# Altium PCB DC-DC_Bridge.PcbDoc
Units mm, origin at the board's own origin, x right, y up, seen from the top; angles counter-clockwise.
Board outline 75 x 80 mm, 2 copper layers (Top Layer, Bottom Layer), stack 0.871 mm thick; 101 components, 43 nets, 233 pads, 26 vias.
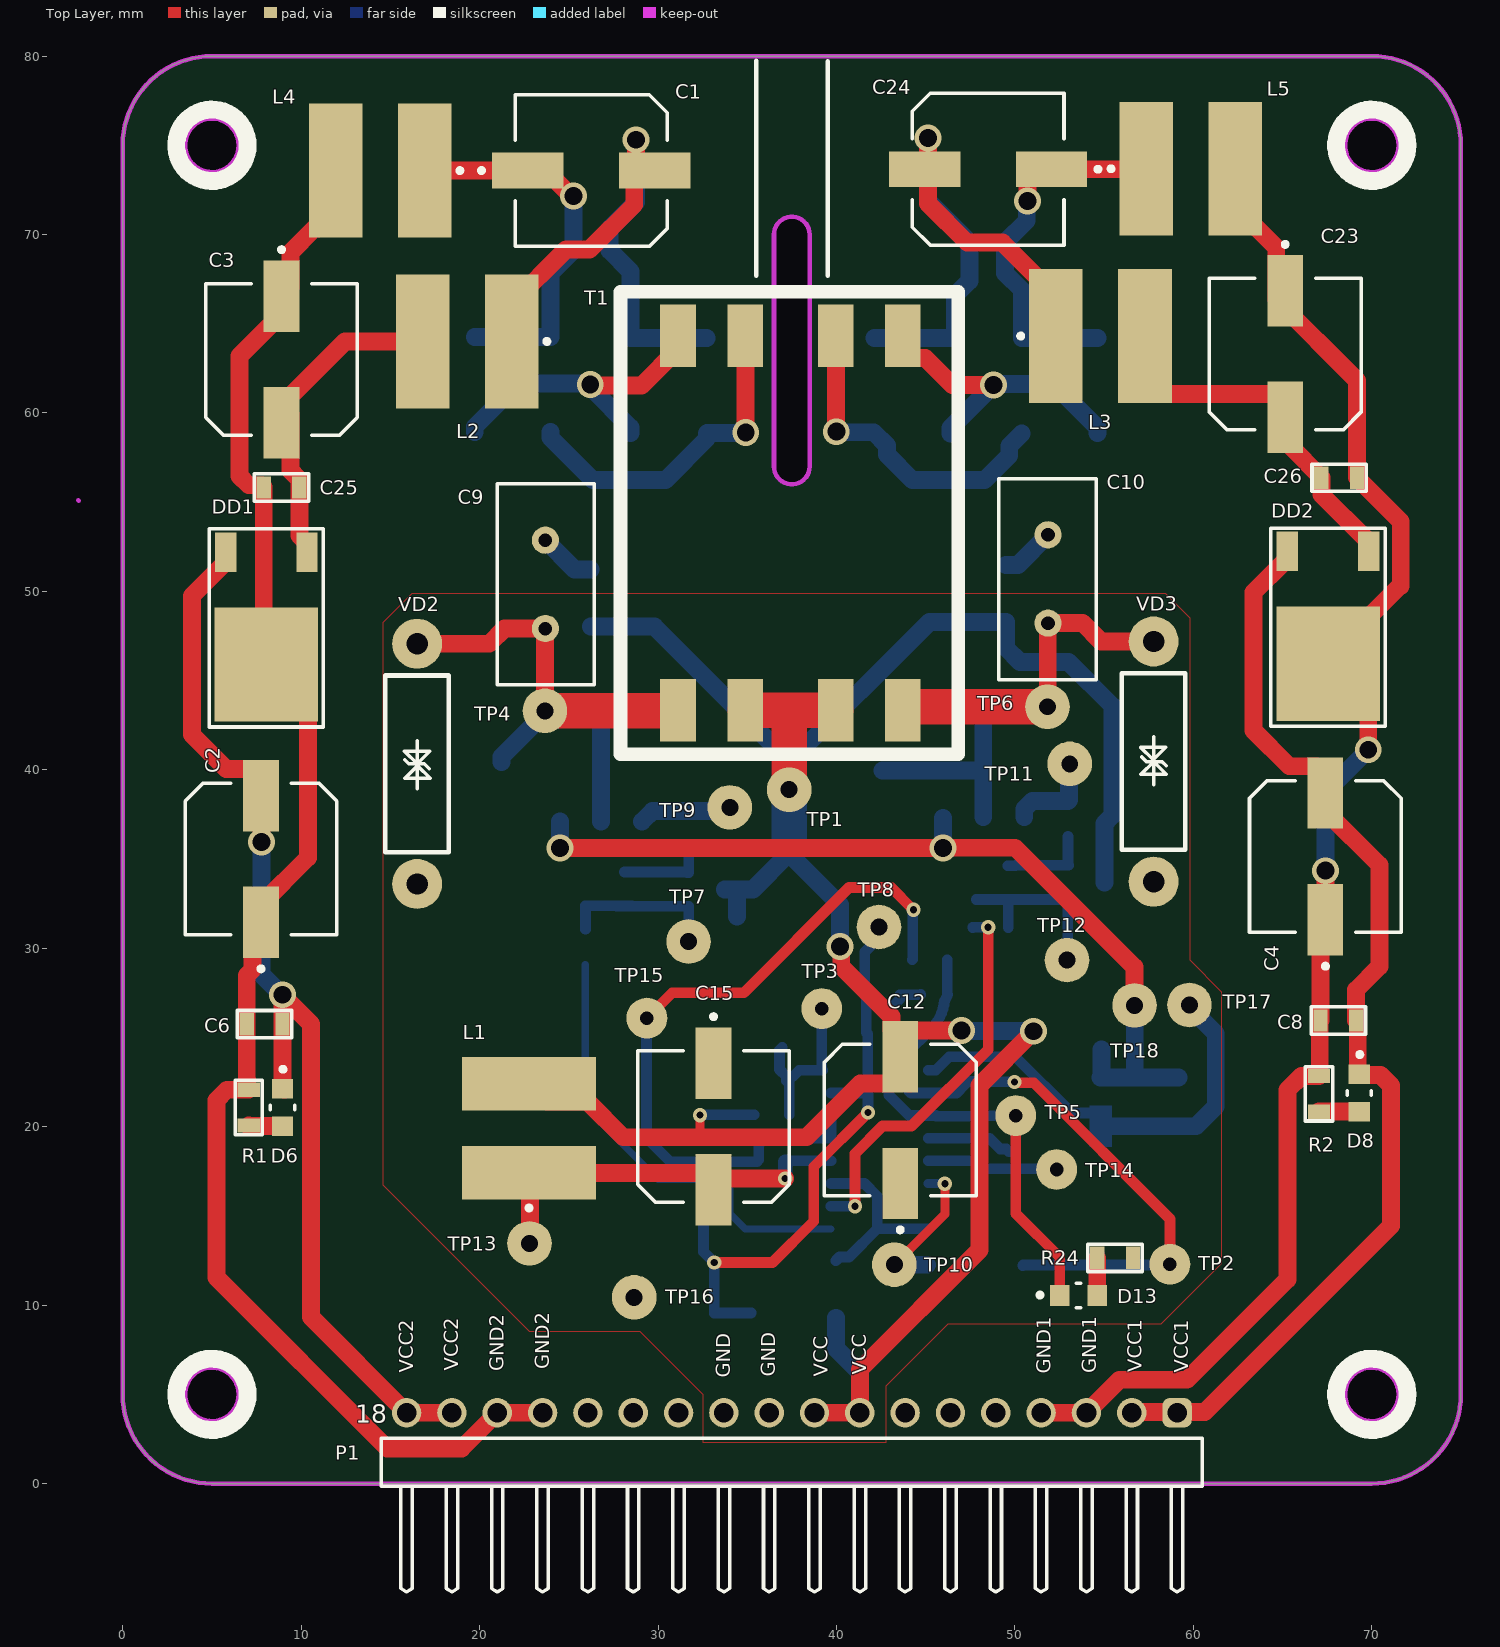
[diagram p0: Top Layer view]
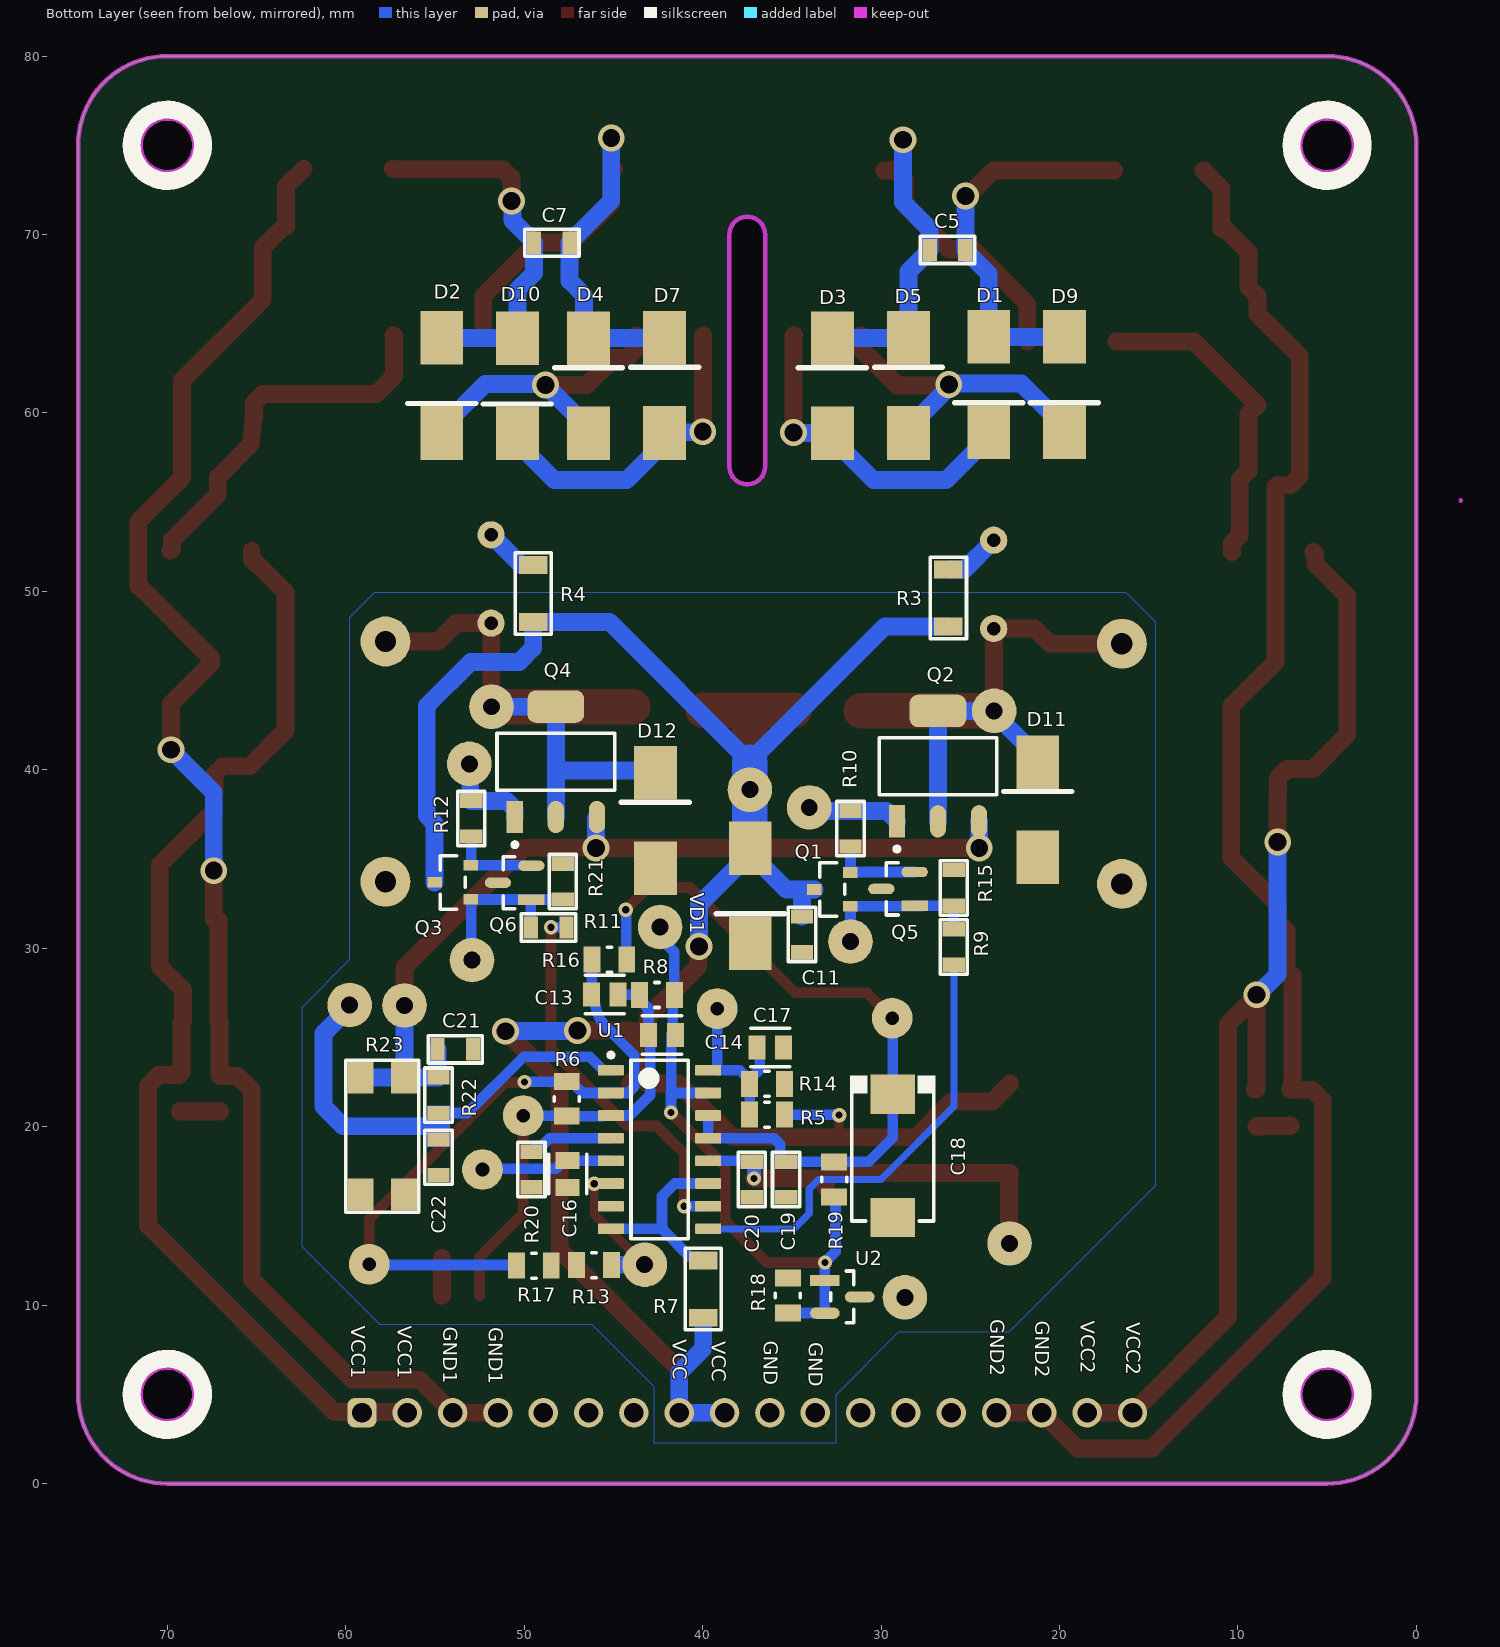
[diagram p1: Bottom Layer view, seen from below]
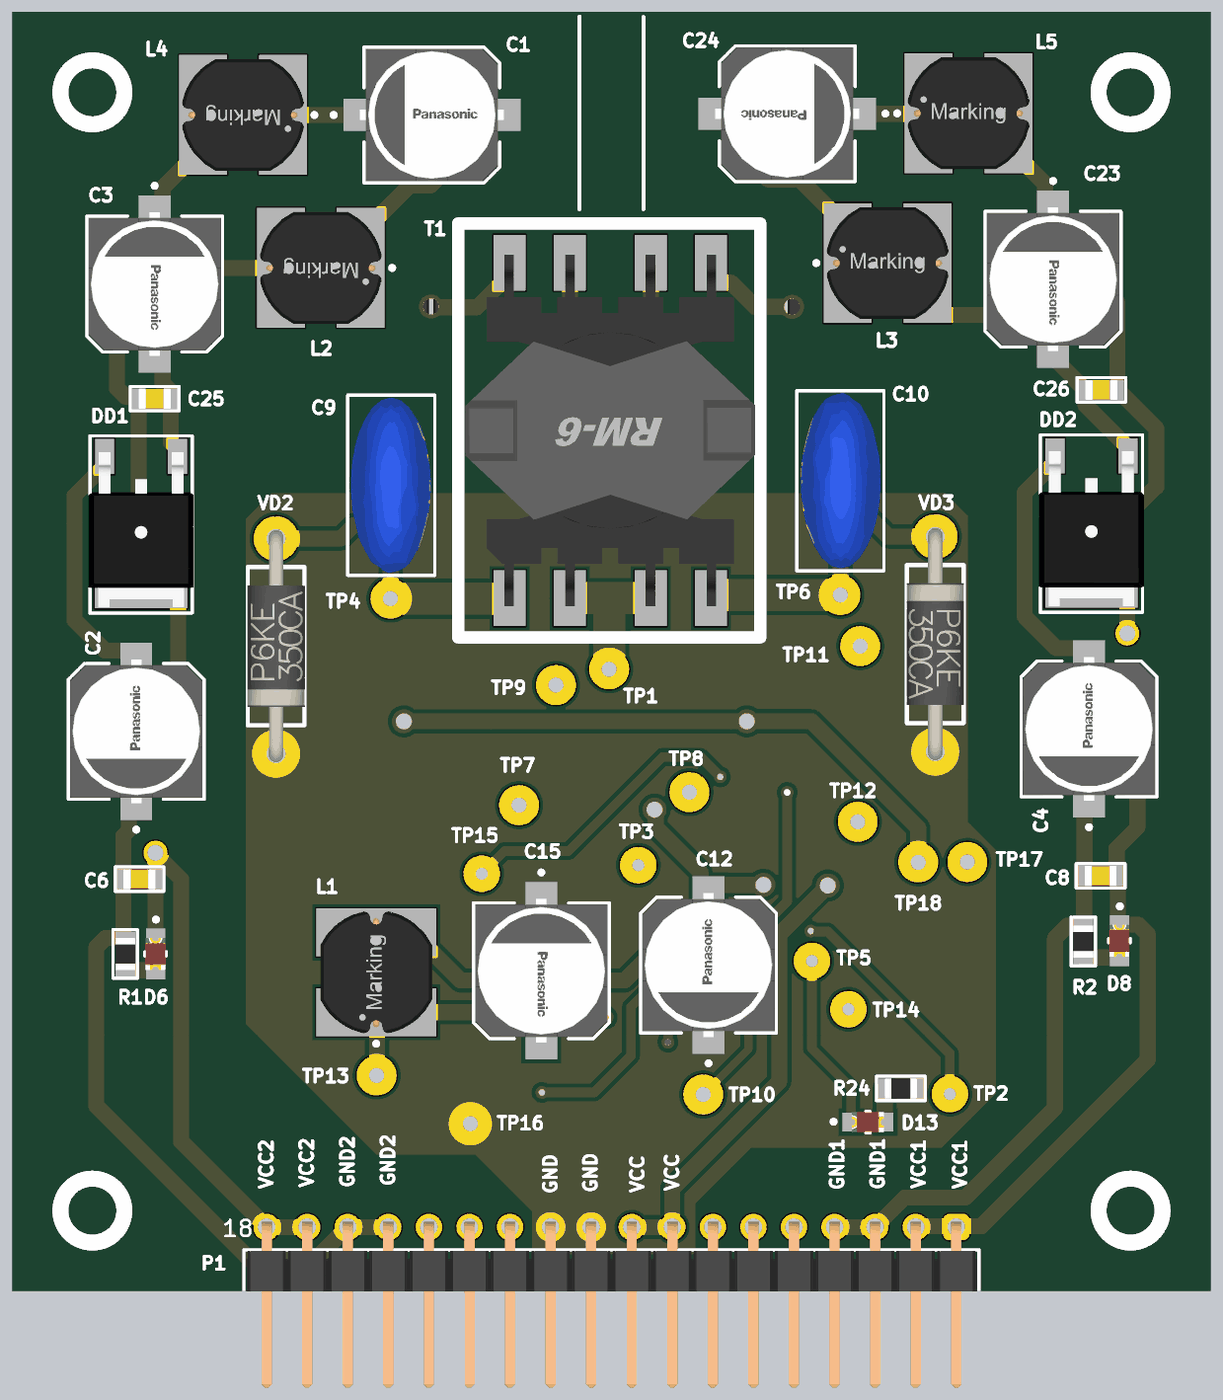
[diagram p2: 3D render of the assembled board from above, using the file's embedded part models]
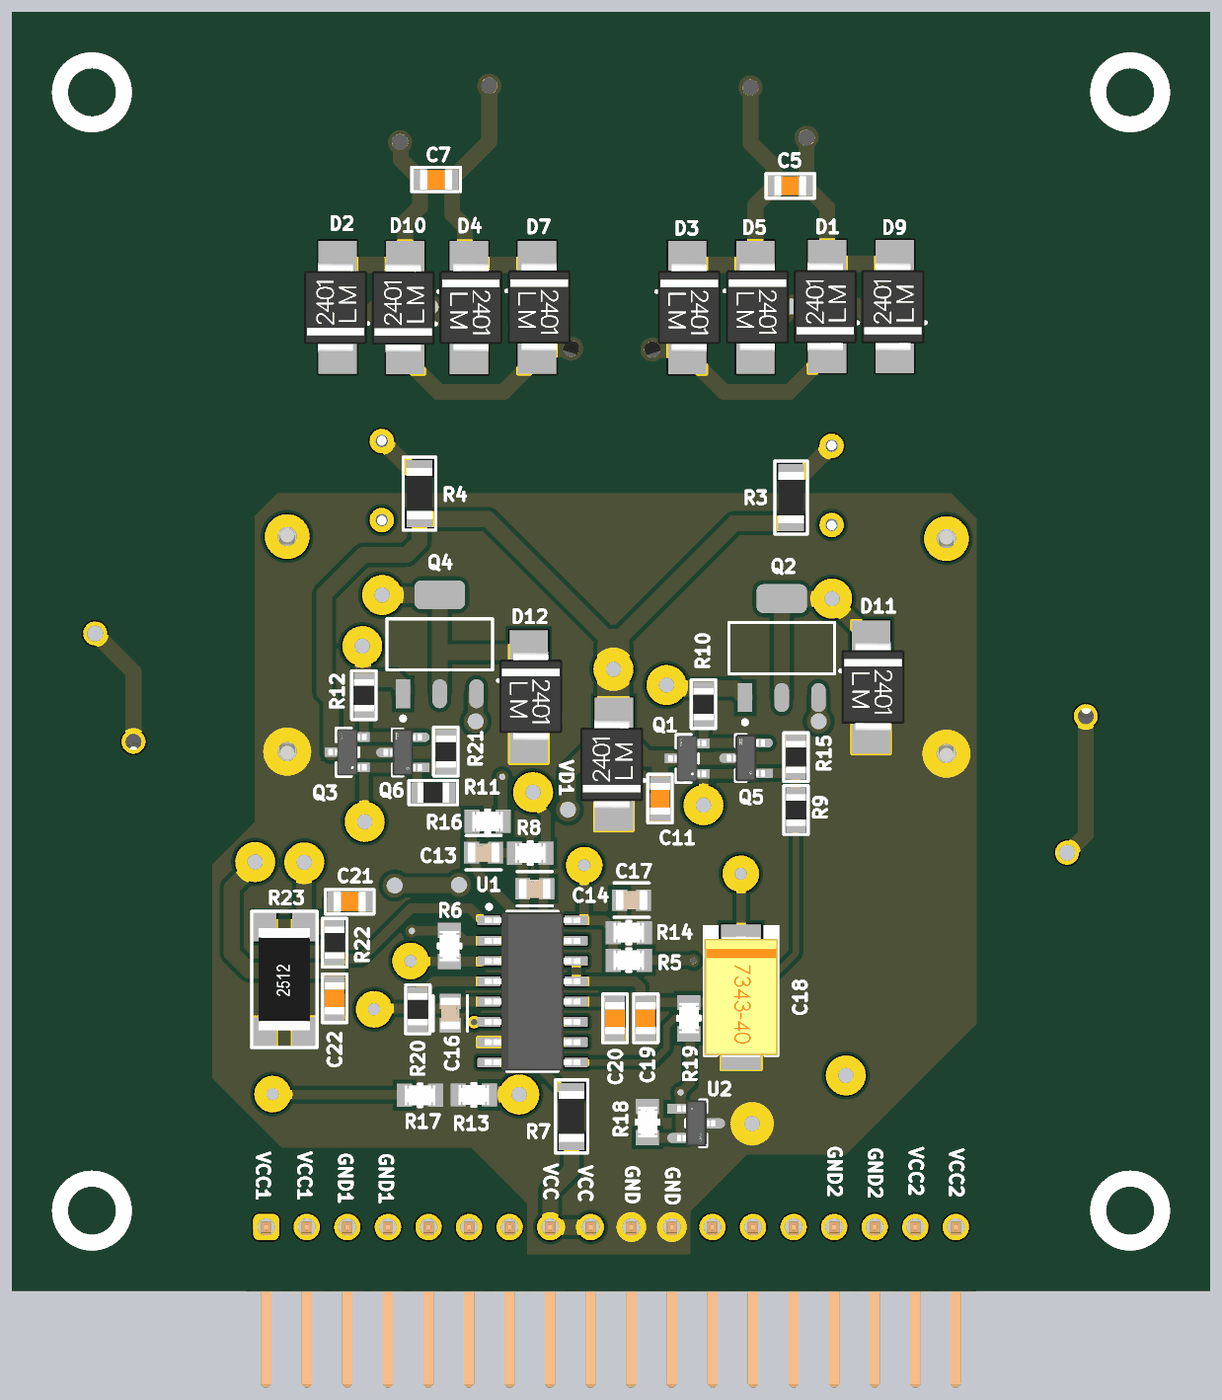
[diagram p3: 3D render of the assembled board from below, using the file's embedded part models]

## Layer stack, top to bottom
Top Solder: solder mask 0.0102, Solder Resist, Dk 3.5
Top Layer: signal copper 0.0356
Dielectric 1: dielectric 0.8, FR-4, Dk 4.8
Bottom Layer: signal copper 0.0356
Bottom Solder: solder mask 0.0102, Solder Resist, Dk 3.5

## Board outline
0,5 0,75 cw(c5,75) 5,80 70,80 cw(c70,75) 75,75 75,5 cw(c70,5) 70,0 5.025,0 5,0 cw(c5,5)
cut-out: 68.5,75 ccw(c70,75) 70,73.5 ccw(c70,75) 71.5,75 ccw(c70,75) 70,76.5 ccw(c70,75)
cut-out: 68.5,5 ccw(c70,5) 70,3.5 ccw(c70,5) 71.5,5 ccw(c70,5) 70,6.5 ccw(c70,5)
cut-out: 3.5,5 ccw(c5,5) 5,3.5 ccw(c5,5) 6.5,5 ccw(c5,5) 5,6.5 ccw(c5,5)
cut-out: 3.5,75 ccw(c5,75) 5,73.5 ccw(c5,75) 6.5,75 ccw(c5,75) 5,76.5 ccw(c5,75)
cut-out: 36.5,57 ccw(c37.5,57) 38.5,57 38.5,70 ccw(c37.5,70) 36.5,70

## Design rules (kind name [scope] priority, off if disabled: settings)
Clearance [All] p1: gap=0.254 ignorepadtopadclearanceinfootprint=FALSE except(0: Arc-Hole Track-Hole SMDPad-Hole THPad-Hole Via-Hole Fill-Hole Poly-Hole Region-Hole Text-Hole)
Height [All] p1: minheight=0 maxheight=101.6 prefheight=12.7
PlaneConnect [All] p1: planeconnectstyle=Direct reliefexpansion=0.508 reliefentries=4 reliefconductorwidth=0.254 reliefairgap=0.254
PolygonConnect [All] p1: connectstyle=Direct reliefconductorwidth=0.254 reliefentries=4 polygonreliefangle="90 Angle" airgapwidth=0.254
RoutingVias [All] p1: holewidth=0.711 width=1.27 viastyle="Through Hole" minholewidth=0.2 minwidth=0.5 maxholewidth=0.711 maxwidth=1.27
SolderMaskExpansion [All] p1: expansion=0.102 istentingtop=FALSE
Width [All] p1: maxlimit=3 minlimit=0.254 preferedwidth=1 minimp=50.000000 maximp=50.000000 favimp=50.000000
28 further rules are at their usual default settings.

## Components (designator, comment, footprint, x,y, rotation, side; value= is the part's Value field where it differs from the comment)
C1 "CAP-POLAR" CAP_SMD_Size_G 26.259,73.584 r0 top
C2 "CAP-POLAR" CAP_SMD_Size_G 7.75,35 r90 top
C3 "CAP-POLAR" CAP_SMD_Size_G 8.9,63 r270 top
C4 "CAP-POLAR" CAP_SMD_Size_G 67.4,35.15 r90 top
C5 "CAP-NON-POLAR" CAP-0805 26.278,69.139 r0 bottom
C6 "CAP-NON-POLAR" CAP-0805 7.95,25.75 r0 top
C7 "CAP-NON-POLAR" CAP-0805 48.452,69.545 r180 bottom
C8 "CAP-NON-POLAR" CAP-0805 68.125,25.95 r0 top
C9 "CAP-V" CAP-V 23.687,50.394 r270 top locked
C10 "CAP-V" CAP-V 51.856,50.698 r90 top locked
C11 "0.01uF" CAP-0805 34.432,30.785 r90 bottom
C12 "470uF_25V" CAP_SMD_Size_G 43.576,20.371 r90 top
C13 "100nF" FP-C0805C-DN-MFG 45.481,27.407 r180 bottom value="10,000 pF"
C14 "100nF" FP-C0805C-DN-MFG 42.28,25.146 r180 bottom value="10,000 pF"
C15 "470uF_25V" CAP_SMD_Size_G 33.111,20.015 r270 top
C16 "C0805C102K5RACTU" FP-C0805C-DN-MFG 47.563,17.348 r270 bottom value="1,000 pF"
C17 "100nF" FP-C0805C-DN-MFG 36.21,24.435 r180 bottom value="10,000 pF"
C18 "100uF" CAP-TAN-D 29.352,18.364 r270 bottom
C19 "0.1uF" CAP-0805 35.321,17.043 r90 bottom
C20 "0.01uF" CAP-0805 37.251,17.043 r90 bottom
C21 "0.47uF" CAP-0805 53.863,24.333 r0 bottom
C22 "470 pF" CAP-0805 54.802,18.288 r90 bottom
C23 "CAP-POLAR" CAP_SMD_Size_G 65.15,63.3 r270 top
C24 "CAP-POLAR" CAP_SMD_Size_G 48.503,73.66 r180 top
C25 "CAP-NON-POLAR" CAP-0805 8.9,55.825 r0 top
C26 "CAP-NON-POLAR" CAP-0805 68.175,56.375 r180 top
D1 "US1G" DO-214AA 23.967,59.309 r90 bottom
D2 "US1G" DO-214AA 54.625,59.258 r90 bottom
D3 "US1G" DO-214AA 32.73,63.805 r270 bottom
D4 "US1G" DO-214AA 46.395,63.805 r270 bottom
D5 "US1G" DO-214AA 28.463,63.83 r270 bottom
D6 "151031YS06000" LED_RED 8.955,21.069 r270 top
D7 "US1G" DO-214AA 42.128,63.83 r270 bottom
D8 "151031YS06000" LED_RED 69.305,21.895 r270 top
D9 "US1G" DO-214AA 19.725,59.309 r90 bottom
D10 "US1G" DO-214AA 50.383,59.233 r90 bottom
D11 "US1G" DO-214AA 21.224,40.056 r270 bottom
D12 "US1G" DO-214AA 42.65,39.45 r270 bottom
D13 "151031YS06000" LED_RED 53.558,10.541 r0 top
DD1 "LM7818" TO-252 8.05,48 r180 top
DD2 "LM7818" TO-252 67.55,48.05 r180 top locked
L1 "390µH, 0.38A" WE-PD2_7850 22.773,19.914 r90 top
L2 "390µH, 0.38A" WE-PD2_7850 19.304,64.008 r180 top
L3 "390µH, 0.38A" WE-PD2_7850 54.792,64.313 r0 top
L4 "390µH, 0.38A" WE-PD2_7850 14.431,73.584 r180 top
L5 "390µH, 0.38A" WE-PD2_7850 59.857,73.685 r0 top
P1 "61301811021" 61301811021 37.5,1.2 r0 top locked
Q1 "SS8050-G" FP-SS8050-G-MFG 32.73,33.299 r0 bottom
Q2 "IRFL024NTRPBF" FP-PG-SOT223-3-IPC_B 26.812,40.208 r90 bottom
Q3 "SS8050-G" FP-SS8050-G-MFG 54.009,33.696 r0 bottom
Q4 "IRFL024NTRPBF" FP-PG-SOT223-3-IPC_B 48.225,40.45 r90 bottom
Q5 "MMSS8550-H-TP" FP-SOT-23-IPC_B 29.051,33.325 r0 bottom
Q6 "MMSS8550-H-TP" FP-SOT-23-IPC_B 50.535,33.68 r0 bottom
R1 "10K" RES-0805 7.06,21.069 r270 top
R2 "10K" RES-0805 67.044,21.845 r270 top
R3 "10 OMH" RES-1206 26.227,49.632 r90 bottom
R4 "10 OMH" RES-1206 49.494,49.886 r270 bottom
R5 "10K" FP-CRCW0805-e3-MFG 36.387,20.676 r0 bottom
R6 "200K" FP-CRCW0805-e3-MFG 47.614,21.565 r270 bottom
R7 "10 OMH" RES-1206 39.969,10.897 r270 bottom
R8 "200K" FP-CRCW0805-e3-MFG 42.56,27.381 r180 bottom
R9 "470" RES-0805 25.923,30.074 r270 bottom
R10 "10" RES-0805 31.714,36.703 r90 bottom
R11 "470" RES-0805 48.63,31.166 r180 bottom
R12 "10" RES-0805 52.974,37.262 r90 bottom
R13 "15K" FP-CRCW0805-e3-MFG 46.09,12.243 r0 bottom
R14 "1.2K" FP-CRCW0805-e3-MFG 36.387,22.403 r180 bottom
R15 "2K" RES-0805 25.923,33.385 r270 bottom
R16 "2K" FP-CRCW0805-e3-MFG 45.227,29.362 r180 bottom
R17 "2K" FP-CRCW0805-e3-MFG 49.459,12.217 r180 bottom
R18 "2K" FP-CRCW0805-e3-MFG 35.219,10.541 r90 bottom
R19 "2K" FP-CRCW0805-e3-MFG 32.628,17.043 r90 bottom
R20 "10K" RES-0805 49.595,17.602 r90 bottom
R21 "2K" RES-0805 47.843,33.731 r270 bottom
R22 "1K" RES-0805 54.802,21.768 r90 bottom
R23 "10 OMH" RES-2512 57.952,19.482 r90 bottom
R24 "220" RES-0805 55.615,12.649 r180 top
T1 "RM-6" TRANS_RM6 37.424,53.835 r90 top locked
TP1 "" Test_Point#1 37.353,38.887 r0 top
TP2 "Test_Point_PCB" Test_Point#2 58.689,12.294 r0 top
TP3 "Test_Point_PCB" Test_Point#2 39.181,26.619 r0 top
TP4 "" Test_Point#1 23.662,43.307 r0 top
TP5 "Test_Point_PCB" Test_Point#2 50.053,20.625 r0 top
TP6 "" Test_Point#1 51.831,43.536 r0 top
TP7 "" Test_Point#1 31.714,30.378 r0 top
TP8 "" Test_Point#1 42.382,31.191 r0 top
TP9 "" Test_Point#1 34.025,37.897 r0 top
TP10 "" Test_Point#1 43.245,12.268 r90 top
TP11 "" Test_Point#1 53.075,40.335 r90 top
TP12 "" Test_Point#1 52.923,29.337 r90 top
TP13 "" Test_Point#1 22.798,13.462 r90 top
TP14 "Test_Point_PCB" Test_Point#2 52.339,17.602 r90 top
TP15 "Test_Point_PCB" Test_Point#2 29.377,26.086 r90 top
TP16 "" Test_Point#1 28.666,10.439 r90 top
TP17 "" Test_Point#1 59.781,26.822 r90 top
TP18 "" Test_Point#1 56.707,26.797 r90 top
U1 "TL494CDR" D0016A_N 42.414,18.72 r180 bottom locked
U2 "TL431" TL431_SOT-23-3(A) 32.171,10.465 r180 bottom
VD1 "Suppressor" DO-214AA 37.327,30.658 r90 bottom
VD2 "Suppressor" P6KE350CA 16.5,40.335 r90 top
VD3 "Suppressor" P6KE350CA 57.774,40.462 r270 top
